# Altium PCB UmTRXv21.PcbDoc (part 8 of 19) (continued)
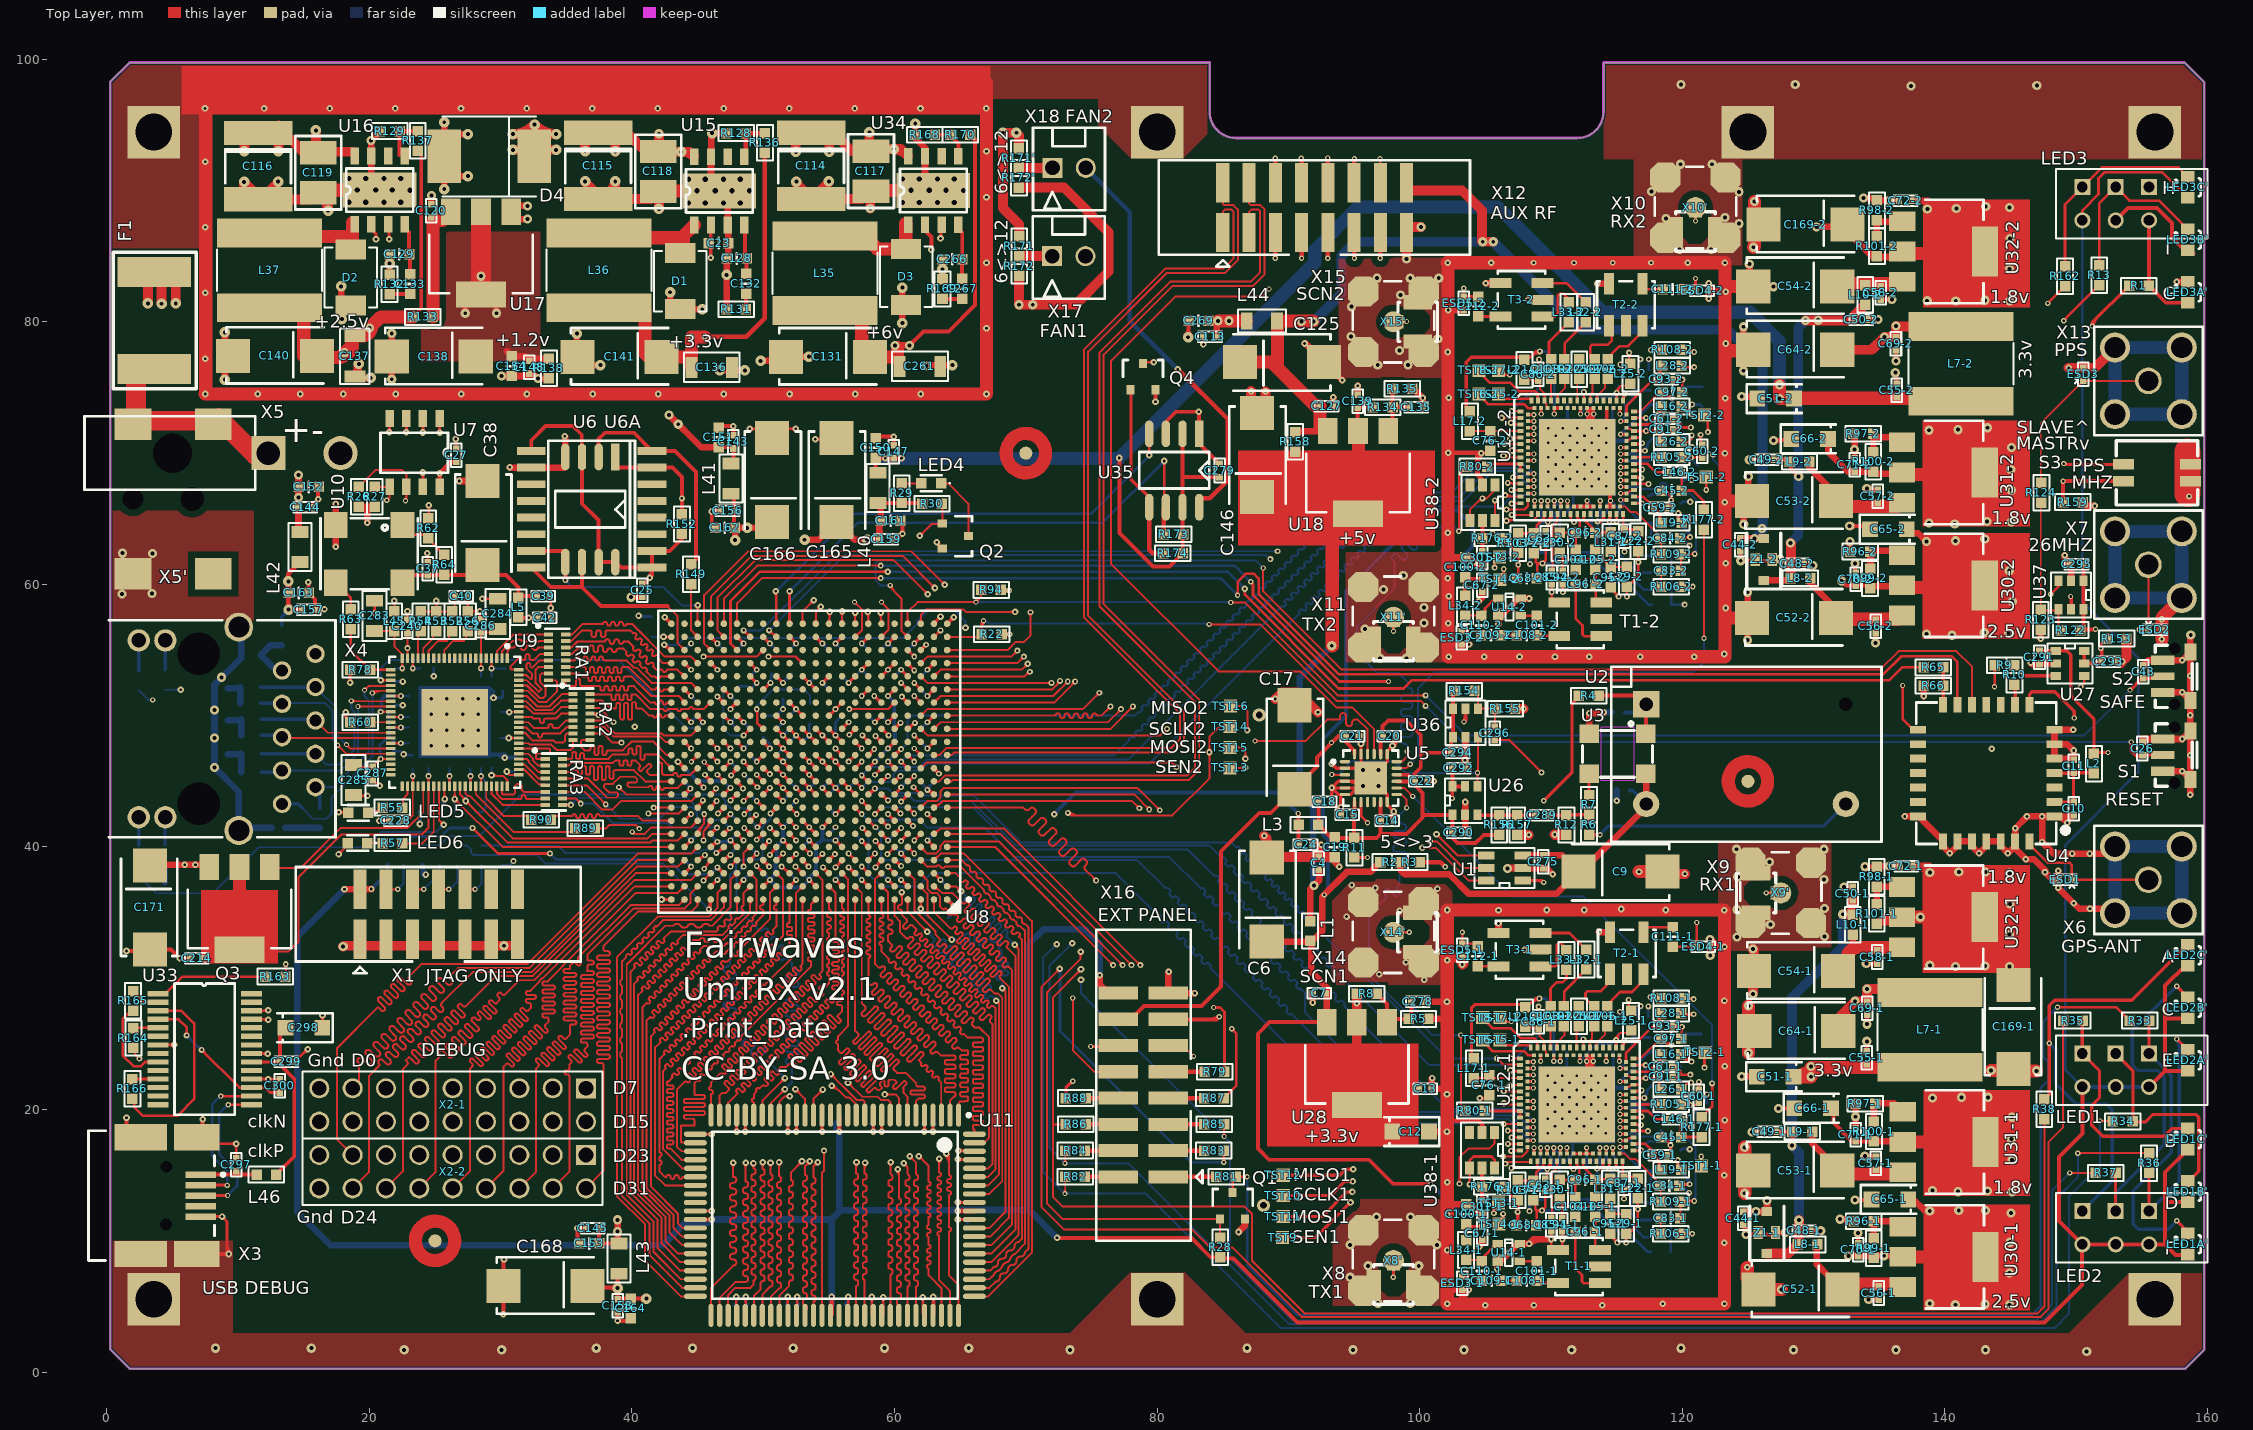
[diagram p0: Top Layer view]
## Nets (pads, with @x,y where several pads share a name; then routed paths per layer and width w, separated by ;. In a path a pad name is that pad's centre, name@x,y a point inside that pad or via, vN(x,y) a via of type N, cw(c..) or ccw(c..) an arc to the next point about the centre after c; other vN are vias at no path point) (continued)
  Bottom Layer w0.2: C245.2@21.8,47.3 22.35,47.3 v2(22.6,47.05) 22.65,47 C229.2@23.3,47 ; C242.2@21.9,50.8 v2(22.55,50.8) ; C281.2@21.9,52.6 v2(22.55,52.6) ; v2@22.444,50.694 ccw(c22.188,50.438) 22.188,50.8 ccw(c22.188,51.162) v2@22.444,50.906 ; v2@22.444,52.494 ccw(c22.188,52.238) 22.188,52.6 ccw(c22.188,52.962) v2@22.444,52.706 ; v2@22.706,47.156 ccw(c23.083,47.533) C229.2@23.083,47 ; 24.35,47.9 cw(c24.35,47.494) v6(24.7,47.7) ; 24.35,49.1 cw(c24.35,48.694) v6(24.7,48.9) 24.5,49.1 24,49.1 cw(c24,48.488) v6@24.528,48.798 ; 24.35,49.9 ccw(c24.35,50.306) v6(24.7,50.1) 24.5,49.9 24,49.9 ccw(c24,50.512) v6@24.528,50.202 ; 24.35,51.5 cw(c24.35,51.094) v6(24.7,51.3) 24.5,51.5 C241.2@24,51.5 cw(c24,50.888) v6@24.528,51.198 ; C238.2@24.5,46.972 cw(c25.162,46.972) v6@24.807,47.531 ; C238.2@24.5,47 24.5,47.5 v6(24.7,47.7) ; 24.5,47.336 cw(c24.931,47.336) v6(24.7,47.7) ; v6@24.528,47.598 ccw(c24,47.288) C244.2@24,47.9 24.5,47.9 v6(24.7,47.7) ; v2@24.794,53.106 ccw(c24.538,53.362) 24.9,53.362 ccw(c25.262,53.362) v2@25.006,53.106 ; v2(24.9,53) C237.2@24.9,53.65 ; v6@25.793,47.531 cw(c25.438,46.972) C232.2@26.1,46.972 ; C232.2@26.1,47 26.1,47.5 v6(25.9,47.7) cw(c25.669,47.336) 26.1,47.336 ; v6@27.213,47.535 cw(c27.386,47.286) 27.6,47.5 ; 27.43,47.67 ccw(c27.247,47.487) v6(27.1,47.7) 27.4,47.7 27.6,47.5 ; C239.2@27.6,47 27.6,47.5 ; v6@28.193,47.531 cw(c27.838,46.972) C233.2@28.5,46.972 ; v6@28.198,51.472 ccw(c27.888,52) C236.2@28.5,52 28.5,51.5 v6(28.3,51.3) ccw(c28.094,51.65) 28.5,51.65 ; v6@28.3,47.9 ccw(c28.3,48.624) C231.2@28.812,48.112 ; v6@28.472,49.998 cw(c29,49.688) C234.2@29,50.3 28.5,50.3 v6(28.3,50.1) cw(c28.65,49.894) 28.65,50.3 ; C233.2@28.5,47 28.5,47.5 v6(28.3,47.7) ; 28.5,47.336 ccw(c28.069,47.336) v6(28.3,47.7) ; v6@28.5,47.7 cw(c28.741,47.7) 28.571,47.871 ; C231.2@29,48.3 28.4,47.7 v6(28.3,47.7) ; C230.2@29.3,52 29.45,51.85 v2(29.45,51.35) 30.05,51.35 30.15,51.45 C41.1@30.15,51.9 ; v2@29.344,51.456 ccw(c29.088,51.712) 29.45,51.712 ccw(c29.812,51.712) 29.556,51.456 ccw(c29.812,51.712) 29.812,51.35 ccw(c29.812,50.988) v2@29.556,51.244 ; C212.1@44,45 44.5,44.5 v1(44.45,44.45) ; C186.1@44,55 v1(44.5,55.5) ; C185.1@44.05,40.05 v1(44.5,40.5) ; C209.1@44.05,40.95 v1(44.5,40.5) ; C212.1@44.166,44.834 cw(c43.782,44.45) v1@44.325,44.45 ; v1@44.375,55.5 cw(c44.073,55.5) 44.287,55.287 cw(c44.5,55.073) v1@44.5,55.375 ; v1@44.5,40.375 ccw(c44.5,40.073) 44.287,40.287 ccw(c44.073,40.5) 44.375,40.5 ccw(c44.073,40.5) 44.287,40.713 ccw(c44.5,40.927) 44.5,40.625 ccw(c44.5,40.927) 44.713,40.713 ccw(c44.927,40.5) v1@44.625,40.5 ; v1@44.5,51.375 cw(c44.5,51.073) 44.713,51.287 cw(c44.927,51.5) v1@44.625,51.5 ; v1(44.5,51.5) C211.1@45,51 ; v1@44.55,40.45 v1(44.5,40.5) ; v1@44.55,40.5 v1(44.5,40.5) ; C208.1@45,41 v1(44.5,40.5) ; C224.1@45.45,12.4 45.575,12.275 v2(46.075,12.275) ; v2@45.969,12.169 ccw(c45.713,11.913) 45.713,12.275 ccw(c45.713,12.637) v2@45.969,12.381 ; C176.1@47,39 47.5,39.5 C194.1@48,40 ; C210.1@47,46 v1(47.5,46.5) C172.1@48,46 ; C176.1@47.116,39.116 cw(c47.5,38.732) v1@47.5,39.275 ; v1@47.375,46.5 cw(c47.073,46.5) 47.287,46.287 cw(c47.5,46.073) 47.5,46.375 cw(c47.5,46.073) 47.713,46.287 cw(c47.927,46.5) v1@47.625,46.5 ; v1@47.5,42.375 cw(c47.5,42.073) 47.713,42.287 cw(c47.927,42.5) v1@47.625,42.5 ; v1(47.5,42.5) C184.1@48,42 ; v1@47.5,49.375 cw(c47.5,49.073) 47.713,49.287 cw(c47.927,49.5) 47.625,49.5 cw(c47.927,49.5) 47.713,49.713 cw(c47.5,49.927) v1@47.5,49.625 ; v1(47.5,39.4) v1@47.5,39.5 ; v1@47.625,39.4 cw(c48.168,39.4) 47.784,39.784 ; C213.1@48,48 v1(48.5,47.5) C249.2@49,48 ; C174.1@48,49 v1(47.5,49.5) C177.1@48,50 ; C251.2@48,55 v1(48.5,55.5) ; v1@48.375,47.5 ccw(c48.073,47.5) 48.287,47.713 ccw(c48.5,47.927) 48.5,47.625 ccw(c48.5,47.927) 48.713,47.713 ccw(c48.927,47.5) v1@48.625,47.5 ; v1@48.375,55.5 cw(c48.073,55.5) 48.287,55.287 cw(c48.5,55.073) v1@48.5,55.375 ; v1(48.5,37.5) C187.1@49,38 ; v1@48.5,37.625 ccw(c48.5,37.927) 48.713,37.713 ccw(c48.927,37.5) v1@48.625,37.5 ; v2@48.519,18.431 ccw(c48.263,18.687) 48.625,18.687 ccw(c48.987,18.687) v2@48.731,18.431 ; v2@48.544,5.644 cw(c48.288,5.388) 48.65,5.388 cw(c49.012,5.388) v2@48.756,5.644 ; v1@48.55,45.375 cw(c48.55,45.073) 48.763,45.287 cw(c48.977,45.5) v1@48.675,45.5 ; v1(48.55,45.5) 49,45.05 C250.2@49,45 ; v2(48.625,18.325) 48.625,18.775 C218.1@48.8,18.95 ; v2(48.65,5.75) 48.65,5.3 C219.1@48.8,5.15 ; C199.1@49,53 v1(49.5,53.5) ; v1@49.375,53.5 cw(c49.073,53.5) 49.287,53.287 cw(c49.5,53.073) v1@49.5,53.375 ; C248.2@50,44 v1(50.5,44.5) ; R23.1@50,49.85 50.15,50 C257.2@51,50 v1(51.5,50.5) R67.1@51.5,51.25 51.5,51.263 R67.1@51.504,51.266 ; v1@50.375,44.5 cw(c50.073,44.5) 50.287,44.287 cw(c50.5,44.073) v1@50.5,44.375 ; C197.1@51,45 v1(51.5,44.5) ; v1@51.375,44.5 ccw(c51.073,44.5) 51.287,44.713 ccw(c51.5,44.927) v1@51.5,44.625 ; v1@51.375,50.5 cw(c51.073,50.5) 51.287,50.287 cw(c51.5,50.073) v1@51.5,50.375 ; v1@51.412,50.588 ccw(c51.198,50.802) 51.5,50.802 ccw(c51.802,50.802) v1@51.588,50.588 ; v1@51.5,46.375 cw(c51.5,46.073) 51.713,46.287 cw(c51.927,46.5) 51.625,46.5 cw(c51.927,46.5) 51.713,46.713 cw(c51.5,46.927) v1@51.5,46.625 ; v1(51.5,48.5) C265.2@52,49 ; v1@51.5,48.625 ccw(c51.5,48.927) 51.713,48.713 ccw(c51.927,48.5) v1@51.625,48.5 ; v1(51.5,52.5) 51.5,52.55 R32.2@52.15,53.2 ; v1@51.625,52.5 cw(c52.047,52.5) 51.749,52.799 ; C217.1@51.7,18.95 51.875,18.775 v2(51.875,18.325) ; v2@51.744,5.644 cw(c51.488,5.388) 51.85,5.388 cw(c52.212,5.388) v2@51.956,5.644 ; C220.1@51.75,5.15 51.85,5.25 v2(51.85,5.75) ; v2@51.769,18.431 ccw(c51.513,18.687) 51.875,18.687 ccw(c52.237,18.687) v2@51.981,18.431 ; C188.1@52,38 v1(52.5,37.5) ; C206.1@52,43 v1(52.5,43.5) ; C273.2@52,46 v1(51.5,46.5) C263.2@52,47 ; C201.1@52,55 v1(52.5,55.5) ; v1@52.375,37.5 ccw(c52.073,37.5) 52.287,37.713 ccw(c52.5,37.927) v1@52.5,37.625 ; v1@52.375,43.5 cw(c52.073,43.5) 52.287,43.287 cw(c52.5,43.073) v1@52.5,43.375 ; v1@52.375,55.5 cw(c52.073,55.5) 52.287,55.287 cw(c52.5,55.073) v1@52.5,55.375 ; C183.1@53,40 v1(53.5,40.5) C246.2@53,41 ; C262.2@53,44 v1(53.5,44.5) ; C274.2@53,45 v1(53.5,44.5) ; C270.2@53,47 v1(53.5,46.5) C264.2@54,46 ; C277.2@53,48 v1(53.5,48.5) ; v1@53.375,46.5 ccw(c53.073,46.5) 53.287,46.713 ccw(c53.5,46.927) v1@53.5,46.625 ; v1@53.375,48.5 cw(c53.073,48.5) 53.287,48.287 cw(c53.5,48.073) 53.5,48.375 cw(c53.5,48.073) 53.713,48.287 cw(c53.927,48.5) v1@53.625,48.5 ; v1@53.412,48.588 ccw(c53.198,48.802) 53.5,48.802 ccw(c53.802,48.802) v1@53.588,48.588 ; v1@53.5,40.375 ccw(c53.5,40.073) 53.287,40.287 ccw(c53.073,40.5) 53.375,40.5 ccw(c53.073,40.5) 53.287,40.713 ccw(c53.5,40.927) v1@53.5,40.625 ; v1@53.5,44.375 ccw(c53.5,44.073) 53.287,44.287 ccw(c53.073,44.5) 53.375,44.5 ccw(c53.073,44.5) 53.287,44.713 ccw(c53.5,44.927) 53.5,44.625 ccw(c53.5,44.927) 53.713,44.713 ccw(c53.927,44.5) v1@53.625,44.5 ; v1@53.5,46.375 cw(c53.5,46.073) 53.713,46.287 cw(c53.927,46.5) v1@53.625,46.5 ; R24.1@53.566,49.396 53.5,49.33 v1(53.5,48.5) ; C272.2@54,45 v1(53.5,44.5) ; C268.2@54,48 v1(53.5,48.5) ; v2@54.369,18.431 ccw(c54.113,18.687) 54.475,18.687 ccw(c54.837,18.687) v2@54.581,18.431 ; v2(54.475,18.325) 54.475,18.875 C223.1@54.55,18.95 ; v1@54.5,52.375 cw(c54.5,52.073) 54.713,52.287 cw(c54.927,52.5) 54.625,52.5 cw(c54.927,52.5) 54.713,52.713 cw(c54.5,52.927) v1@54.5,52.625 ; C182.1@55,41 v1(55.5,41.5) ; C196.1@55,44 v1(55.5,44.5) C260.2@56,45 ; C276.2@55,47 v1(55.5,46.5) C200.1@56,46 ; C271.2@55,49 v1(55.5,48.5) ; C203.1@55,52 v1(54.5,52.5) C247.2@55,53 ; v1@55.375,41.5 cw(c55.073,41.5) 55.287,41.287 cw(c55.5,41.073) v1@55.5,41.375 ; v1@55.375,44.5 cw(c55.073,44.5) 55.287,44.287 cw(c55.5,44.073) v1@55.5,44.375 ; v1@55.375,46.5 ccw(c55.073,46.5) 55.287,46.713 ccw(c55.5,46.927) v1@55.5,46.625 ; v1@55.375,48.5 ccw(c55.073,48.5) 55.287,48.713 ccw(c55.5,48.927) v1@55.5,48.625 ; v1@55.412,48.588 ccw(c55.198,48.802) 55.5,48.802 ccw(c55.802,48.802) v1@55.588,48.588 ; v1(55.5,37.5) C189.1@56,38 ; v1@55.5,37.625 ccw(c55.5,37.927) 55.713,37.713 ccw(c55.927,37.5) v1@55.625,37.5 ; v1@55.5,44.625 ccw(c55.5,44.927) 55.713,44.713 ccw(c55.927,44.5) v1@55.625,44.5 ; v1@55.5,46.375 cw(c55.5,46.073) 55.713,46.287 cw(c55.927,46.5) v1@55.625,46.5 ; v1@55.5,48.375 cw(c55.5,48.073) 55.713,48.287 cw(c55.927,48.5) v1@55.625,48.5 ; v1@55.5,55.375 cw(c55.5,55.073) 55.713,55.287 cw(c55.927,55.5) v1@55.625,55.5 ; v1(55.5,55.5) C252.2@56,55 ; C255.2@56,48 v1(55.5,48.5) ; C258.2@56,50 55.5,49.5 v1(55.5,48.5) ; v2@56.333,5.701 cw(c55.805,5.52) C225.1@56.2,5.125 56.475,5.4 ; v2@56.372,5.641 cw(c56.142,5.4) 56.475,5.4 ; C225.1@56.426,5.351 ccw(c56.142,5.636) v2@56.522,5.766 ; v2(56.475,5.75) 56.475,5.4 ; v2@56.578,5.641 ccw(c56.808,5.4) 56.475,5.4 ; C204.1@57,41 v1@57.5,40.5 ; C256.2@57,53 v1(57.5,53.5) C198.1@58,53 ; 57.251,40.749 cw(c56.952,40.45) v1@57.375,40.45 ; v1@57.375,53.5 cw(c57.073,53.5) 57.287,53.287 cw(c57.5,53.073) 57.5,53.375 cw(c57.5,53.073) 57.713,53.287 cw(c57.927,53.5) v1@57.625,53.5 ; v1(57.5,40.45) v1@57.5,40.5 ; v2@58.919,18.431 ccw(c58.663,18.687) 59.025,18.687 ccw(c59.387,18.687) v2@59.131,18.431 ; C190.1@59,38 v1(59.5,37.5) ; C259.2@59,50 v1(59.5,49.5) ; C202.1@59,55 v1(59.5,55.5) C254.2@60,55 ; v2@59.019,5.594 cw(c58.763,5.338) 59.125,5.338 cw(c59.487,5.338) v2@59.231,5.594 ; v2(59.025,18.325) 59.025,18.825 C216.1@59.15,18.95 ; C221.1@59.125,5.125 v2(59.125,5.7) ; v1@59.375,37.5 ccw(c59.073,37.5) 59.287,37.713 ccw(c59.5,37.927) v1@59.5,37.625 ; v1@59.375,49.5 ccw(c59.073,49.5) 59.287,49.713 ccw(c59.5,49.927) v1@59.5,49.625 ; v1@59.375,55.5 cw(c59.073,55.5) 59.287,55.287 cw(c59.5,55.073) 59.5,55.375 cw(c59.5,55.073) 59.713,55.287 cw(c59.927,55.5) v1@59.625,55.5 ; v1(59.5,46.5) C175.1@60,47 ; v1@59.5,46.625 ccw(c59.5,46.927) 59.713,46.713 ccw(c59.927,46.5) v1@59.625,46.5 ; C193.1@60,40 v1(60.5,39.5) C181.1@61,40 ; C178.1@60,53 v1(60.5,53.5) ; v1@60.375,39.5 ccw(c60.073,39.5) 60.287,39.713 ccw(c60.5,39.927) 60.5,39.625 ccw(c60.5,39.927) 60.713,39.713 ccw(c60.927,39.5) v1@60.625,39.5 ; v1@60.375,53.5 cw(c60.073,53.5) 60.287,53.287 cw(c60.5,53.073) v1@60.5,53.375 ; C205.1@62,44.9 v1@62.45,44.45 ; C192.1@62,48 v1(62.5,47.5) ; C207.1@62,52 v1(62.5,51.5) ; v2@62.044,5.594 cw(c61.788,5.338) 62.15,5.338 cw(c62.512,5.338) v2@62.256,5.594 ; C215.1@62.1,18.95 62.275,18.775 v2(62.275,18.325) ; C222.1@62.15,5.1 v2(62.15,5.7) ; v2@62.169,18.431 ccw(c61.913,18.687) 62.275,18.687 ccw(c62.637,18.687) v2@62.381,18.431 ; 62.251,44.649 cw(c61.953,44.35) v1@62.375,44.35 ; 62.287,47.713 cw(c62.073,47.5) v1@62.375,47.5 ; 62.287,47.713 ccw(c62.5,47.927) v1@62.5,47.625 ; v1@62.375,51.5 ccw(c62.073,51.5) 62.287,51.713 ccw(c62.5,51.927) v1@62.5,51.625 ; v1(62.5,40.5) C180.1@63,41 ; v1@62.5,40.625 ccw(c62.5,40.927) 62.713,40.713 ccw(c62.927,40.5) v1@62.625,40.5 ; v1(62.5,44.35) 62.5,44.4 v1@62.45,44.45 ; v1@62.625,44.35 cw(c63.289,44.35) C179.1@62.819,44.819 ; C179.1@62.95,44.95 v1@62.45,44.45 ; C191.1@64,36 v2(64.5,35.5) 64.5,35 R93.2@64.1,34.6 ; v2@64.35,35.5 ccw(c63.988,35.5) 64.244,35.756 ccw(c64.5,36.012) v2@64.5,35.65 ; v2@64.394,35.394 cw(c64.138,35.138) 64.5,35.138 cw(c64.862,35.138) v2@64.606,35.394 ; v2(64.825,11.625) 65.275,11.625 C227.1@65.55,11.35 ; v2@64.931,11.519 cw(c65.187,11.263) 65.187,11.625 cw(c65.187,11.987) v2@64.931,11.731 ; v1(105.5,14.725) 106.095,14.725 R107-1.1@106.211,14.608 ; v1(105.55,63.875) 106.225,63.875 R107-2.1@106.25,63.9 ; v1@105.588,14.637 cw(c105.802,14.423) 105.802,14.725 cw(c105.802,15.027) v1@105.588,14.813 ; v1@105.638,63.787 cw(c105.852,63.573) 105.852,63.875 cw(c105.852,64.177) v1@105.638,63.963 ; C81-1.2@108.811,27.058 109.057,27.304 v1(109.057,27.838) ; C81-2.2@108.85,76.35 109.096,76.596 v1(109.096,77.13) ; v1@108.969,27.75 cw(c108.755,27.536) 109.057,27.536 cw(c109.359,27.536) v1@109.145,27.75 ; v1@109.008,77.041 cw(c108.794,76.828) 109.096,76.828 cw(c109.398,76.828) v1@109.184,77.041 ; v1(109.311,12.308) 110.261,12.308 110.511,12.558 C74-1.2@110.511,12.958 ; v1(109.35,61.6) 110.3,61.6 110.55,61.85 C74-2.2@110.55,62.25 ; v1@109.399,12.22 cw(c109.613,12.006) 109.613,12.308 cw(c109.613,12.61) v1@109.399,12.397 ; v1@109.438,61.512 cw(c109.652,61.298) 109.652,61.6 cw(c109.652,61.902) v1@109.438,61.688 ; U12-1.0@109.707,18.138 U12-1.0@109.757,18.188 ; U12-2.0@109.746,67.43 U12-2.0@109.796,67.48 ; U12-1.0@110.857,22.588 111.2,22.931 C88-1.2@111.2,24.375 ; U12-2.0@110.896,71.88 111.25,72.234 C88-2.2@111.25,73.664 ; C62-1.1@111.15,16.15 111.15,16.081 111.65,16.581 111.65,17.881 U12-1.0@111.957,18.188 ; C62-2.1@111.175,65.475 111.175,65.5 111.7,66.025 111.7,67.184 U12-2.0@111.996,67.48 ; v4@114.136,17.017 cw(c113.922,16.803) 114.225,16.803 ; U12-1.0@114.157,18.188 U12-1.0@114.257,18.188 ; U12-1.0@114.157,22.588 114.725,23.156 C79-1.2@114.725,24.35 ; U12-2.0@114.196,67.48 U12-2.0@114.296,67.48 ; U12-2.0@114.196,71.88 114.675,72.359 C79-2.2@114.675,73.5 ; v4(114.207,17.088) 114.225,17.07 C92-1.2@114.225,16.15 ; C92-2.2@114.246,65.5 114.246,66.096 v4(114.525,66.375) 115.2,65.7 C78-2.2@115.2,65.467 ; v4@114.425,66.375 cw(c114.184,66.375) 114.354,66.204 cw(c114.525,66.034) 114.525,66.275 cw(c114.525,66.034) 114.696,66.204 cw(c114.866,66.375) v4@114.625,66.375 ; v4@114.636,17.017 cw(c114.466,16.847) 114.707,16.847 cw(c114.948,16.847) v4@114.778,17.017 ; v4(114.707,17.088) 114.707,16.493 C78-1.2@115.025,16.175 ; v1@115.162,27.362 cw(c114.948,27.148) 115.25,27.148 cw(c115.552,27.148) v1@115.338,27.362 ; v1@115.187,76.662 cw(c114.973,76.448) 115.275,76.448 cw(c115.577,76.448) v1@115.363,76.662 ; C90-1.2@115.25,26.85 v1(115.25,27.45) ; C90-2.2@115.275,76.15 v1(115.275,76.75) ; C75-1.2@116.611,27.042 v1@116.611,27.858 ; C75-1.2@116.611,27.057 cw(c117.643,27.057) v1@116.913,27.787 ; 116.611,27.54 cw(c117.16,27.54) v1@116.772,27.928 ; C75-2.2@116.65,76.334 v1@116.65,77.15 ; C75-2.2@116.65,76.486 cw(c117.464,76.486) v1@116.888,77.062 ; 116.65,76.969 cw(c116.981,76.969) v1@116.747,77.203 ; C89-1.2@117.325,17.45 117.475,17.6 118.794,17.6 v1(119.1,17.294) ; C89-2.2@117.4,66.75 117.525,66.75 117.65,66.875 118.912,66.875 ; v1@118.975,17.294 ccw(c118.673,17.294) 118.887,17.508 ccw(c119.1,17.721) v1@119.1,17.419 ; v1@119.029,66.433 ccw(c118.59,66.553) 118.912,66.875 ; C73-1.2@119.057,15.388 119.731,15.388 120.561,14.558 ; v1@119.075,66.5 ccw(c118.963,66.65) 119.15,66.65 ; C73-2.2@119.096,64.68 119.77,64.68 120.6,63.85 ; R110-1.1@119.107,9.162 R111-1.1@119.107,10.288 ; R113-1.1@119.107,12.888 R112-1.1@119.107,11.588 R111-1.1@119.107,10.288 ; R113-2.1@119.146,62.18 R112-2.1@119.146,60.88 R111-2.1@119.146,59.58 ; v1(119.15,66.4) 119.15,66.65 ; 119.156,66.631 cw(c118.973,66.448) v1@119.222,66.38 ; v1@119.225,66.5 cw(c119.337,66.65) 119.15,66.65 ; 119.842,58.45 ccw(c119.842,58.791) v1@120.084,58.55 ; 119.898,58.45 cw(c119.898,58.188) v1@120.084,58.373 ; C82-1.2@119.907,18.438 C82-1.2@120.077,18.608 ; C98-1.2@119.911,24.408 v1(120.711,24.408) 121.311,24.408 R121-1.2@121.461,24.258 ; C82-2.2@119.946,67.73 C82-2.2@120.116,67.9 ; C98-2.2@119.95,73.7 v1(120.75,73.7) 121.35,73.7 R121-2.2@121.5,73.55 ; C82-1.2@120.127,18.708 v1@120.711,18.708 ; C82-2.2@120.166,68 v1@120.75,68 ; 120.171,14.948 cw(c119.531,14.308) v1@120.436,14.308 ; v1(120.172,58.462) 120.16,58.45 R110-2.1@119.15,58.45 119.146,58.454 R111-2.1@119.146,59.58 ; 120.21,64.24 cw(c119.57,63.6) v1@120.475,63.6 ; C82-1.2@120.239,18.708 cw(c120.239,18.236) v1@120.573,18.57 ; C82-2.2@120.278,68 cw(c120.278,67.528) v1@120.612,67.862 ; v1@120.486,14.408 ccw(c120.374,14.558) 120.561,14.558 ; 120.512,14.607 cw(c120.214,14.308) v1@120.636,14.308 ; v1@120.525,63.7 ccw(c120.413,63.85) 120.6,63.85 ; 120.551,63.899 cw(c120.253,63.6) v1@120.675,63.6 ; v1(120.561,14.308) 120.561,14.558 ; v1(120.6,63.6) 120.6,63.85 ; v1@120.623,24.32 ccw(c120.409,24.106) 120.409,24.408 ccw(c120.409,24.71) v1@120.623,24.497 ; v1@120.636,14.408 cw(c120.749,14.558) 120.561,14.558 ; v1@120.662,73.612 ccw(c120.448,73.398) 120.448,73.7 ccw(c120.448,74.002) v1@120.662,73.788 ; v1@120.669,10.45 ccw(c120.455,10.236) 120.455,10.538 ccw(c120.455,10.84) v1@120.669,10.626 ; v1@120.675,63.7 cw(c120.787,63.85) 120.6,63.85 ; v1@120.708,59.741 ccw(c120.494,59.528) 120.494,59.83 ccw(c120.494,60.132) v1@120.708,59.918 ; v1(120.757,10.538) 119.357,10.538 R111-1.1@119.107,10.288 ; v1(120.796,59.83) 119.396,59.83 R111-2.1@119.146,59.58 ; v1@120.799,24.32 cw(c121.013,24.106) 121.013,24.408 cw(c121.013,24.71) v1@120.799,24.497 ; v1@120.838,73.612 cw(c121.052,73.398) 121.052,73.7 cw(c121.052,74.002) v1@120.838,73.788 ; 118.912,66.875 119.137,66.65 119.15,66.65
  Bottom Layer w0.3: R61.2@23.8,42.65 23.85,42.6 v2(23.85,41.75) ; 24.036,38.026 ccw(c24.393,38.026) v2@24.181,37.739 ; v2(24.3,37.9) 24.036,38.164 R20.2@24.036,38.62 ccw(c24.83,38.62) v2@24.359,37.981 ; C280.2@29.3,47.05 30.05,47.05 v2(30.3,46.8) C235.2@31.1,46.8 ; C280.2@29.455,47.05 cw(c29.455,45.955) v2@30.229,46.729 ; 30.179,47.05 cw(c30.179,46.679) v2@30.441,46.941
  Bottom Layer w0.35: U12-1.0@114.157,21.488 114.319,21.65 C80-1.2@115.925,21.65 ; U12-2.0@114.196,70.78 114.366,70.95 115.825,70.95 C80-2.2@115.875,71
  Bottom Layer w0.5: X4.15@10.048,56.747 10.225,56.57 C32.1@10.225,54.625 10.225,54.375 8.2,52.35 C36.2@8.2,52.1 C35.2@8.2,49.65 C34.2@8.2,47.05 v3(8.2,46.05) 10.048,44.202 X4.15@10.048,41.253 10.27,41.475 C33.2@12.575,41.475 ; v2(114.025,50.25) C5.1@114.625,50.25 ; v2(115,43.525) C8.2@115,44.3
  Bottom Layer w1: X6.2@152.96,34.96 X6.2@152.96,40.04 X6.2@158.04,40.04 X6.2@158.04,34.96 X6.2@152.96,34.96 ; X7.2@152.96,58.96 X7.2@158.04,58.96 X7.2@158.04,64.04 X7.2@152.96,64.04 X7.2@152.96,58.96 ; X13.2@152.96,72.96 X13.2@152.96,78.04 X13.2@158.04,78.04 X13.2@158.04,72.96 X13.2@152.96,72.96
  other v1: 120.661,18.658 116.825,27.875 120.7,67.95 116.8,77.15
  other v2: 105,5.1 108.7,5.1 113.9,5.1 102.1,9.3 123.2,9.85 123.2,15 123.225,19.2 102.075,21.175 100.95,22.4 123.225,23.3 102.075,28.225 100.35,29.875 96.9,30.3 98.95,31.225 101.4,32.025 94.425,34.7 101.35,34.8 98.475,35.15 106,35.175 123.2,35.175 115.35,35.275 149.8,35.7 101.35,36.825 96.625,36.875 94.825,37.1 143.575,47.475 40.2,49.15 107.6,54.5 112.9,54.5 116.8,54.5 120.9,54.5 123.2,54.7 102.175,57.05 123.3,58.2 102.2,59.1 102.128,60.464 123.3,61.6 123.225,66.25 30.675,68.925 102.175,70.025 26.575,71.075 34.875,71.275 48.975,71.85 123.271,74.176 102.2,74.225 7.5,77.2 123.3,78.35 7.5,82.2 123.3,82.3 7.5,87.2 7.5,92.2 7.475,96.25 11.975,96.25 16.975,96.25 21.975,96.25 26.975,96.25 31.975,96.25 36.975,96.25 41.975,96.25 46.975,96.25 51.975,96.25 56.975,96.25 61.975,96.25 66.975,96.25
  other v3: 150.8,1.575 22.65,1.7 30.075,1.7 73.35,1.7 94.925,1.7 103.375,1.7 111.575,1.7 128.475,1.7 136.275,1.7 143.1,1.7 8.275,1.825 15.575,1.825 37.275,1.825 44.6,1.825 52.275,1.825 59.225,1.825 65.65,1.825 86.85,1.825 119.9,1.825 96.825,5.25 99.275,5.25 94.7,7.225 96.075,8.1 99.925,8.1 94.7,9.7 101.3,9.7 96.7,11.825 99.3,11.825 124.175,33.15 130.825,33.175 126.7,34.1 124.175,35.225 130.825,35.325 130.8,37.525 124.225,37.725 126.65,38.85 124.125,39.825 130.8,39.825 8.2,48.3 8.2,50.425 8.725,52.925 96.975,54.375 98.975,54.375 95.825,56.6 100.325,57.05 100.325,58.25 1.15,59.275 3.45,59.3 97.25,59.6 98.75,60.675 3.475,62.35 1.2,62.375 136.225,76.125 96.8,76.7 99.1,76.725 98.45,77.825 101.375,78.7 94.775,78.875 94.8,81.15 98.525,82.05 96.75,83.325 99.275,83.325 101.45,83.325 119.775,85.5 122.2,85.5 124.325,87.475 118.75,87.875 123.25,87.95 135.725,89.25 124.325,89.9 117.65,89.925 119.85,92 122.275,92 137.425,97.95 147,98 119.9,98.075 128.6,98.075
  other v4: 114.207,23.688 112.746,72.98 113.246,72.98
  other v5: 20.1,75.725 47.2,83.575
  other v6: 25.9,48.9 27.1,48.9 28.3,48.9 25.9,50.1 27.1,50.1 25.9,51.3 27.1,51.3
  other v7: 96.875,44.65 95.675,45.85
  other v8: 88.1,12.7 87.775,50.05
GPS_ANT: ESD1.1 U4.28 X6.1 | length 10.8
  Top Layer w0.2: U4.28@146.45,40.175 147.825,38.8 149.475,38.8 149.675,38.6 ESD1.1@149.675,37.5 ; ESD1.1@149.7,37.5 X6.1@155.5,37.5
GPS_STBY: U4.12 U8.AA4 | length 101
  Top Layer w0.15: v4@59.65,59.925 ccw(c59.952,59.925) 59.738,59.712 ; v4(59.675,59.925) 59.675,59.775 60.525,58.925 60.525,56.475 U8.AA4@61,56 ; v4@59.8,59.925 ccw(c60.464,59.925) 59.994,59.456 ; U8.AA4@60.825,56 ccw(c60.403,56) 60.701,56.299 ccw(c61,56.597) U8.AA4@61,56.175 ; v4(88.075,61.25) 88.075,59.475 94.05,53.5 135.05,53.5 136.475,54.925 140.875,54.925 142.05,53.75 U4.12@142.05,51.325
  Bottom Layer w0.15: v4@59.587,59.837 ccw(c59.373,59.623) 59.373,59.925 ccw(c59.373,60.227) v4@59.587,60.013 ; v4(59.675,59.925) 58.934,59.925 58.55,60.309 58.55,61.591 58.784,61.825 87.5,61.825 v4(88.075,61.25) ; v4@87.95,61.25 ccw(c87.648,61.25) 87.862,61.463 ccw(c88.075,61.677) v4@88.075,61.375
INHIBIT: Q4.3 U16.3 U34.3 | length 83.5
  Top Layer w0.2: v2@63.394,86.456 ccw(c63.058,86.792) U34.3@63.533,86.792 ; v2@63.533,86.383 U34.3@63.533,87.242 ; 63.533,86.632 ccw(c63.782,86.632) v2@63.606,86.456 ; Q4.3@78.925,76.925 v2(79.75,76.925) ; v2@79.644,76.819 ccw(c79.388,76.563) 79.388,76.925 ccw(c79.388,77.287) v2@79.644,77.031
  Top Layer w0.25: v2@21.412,86.363 ccw(c21.198,86.577) 21.5,86.577 ccw(c21.802,86.577) v2@21.588,86.363 ; U16.3@21.42,87.425 21.5,87.345 v2(21.5,86.275)
  Mid-Layer 2 w0.2: v2(21.5,86.275) 21.575,86.35 v2(63.5,86.35) 64.55,85.3 64.55,83.35 63.8,82.6 62.05,82.6 58.775,79.325 58.775,77.525 60.45,75.85 65.05,75.85 65.85,76.65 79.475,76.65 v2(79.75,76.925) ; v2@21.606,86.169 cw(c22.043,85.732) 22.043,86.35 ; v2@63.394,86.244 ccw(c63.138,85.988) 63.138,86.35 ccw(c63.138,86.712) v2@63.394,86.456 ; v2@63.5,86.2 cw(c63.5,85.838) 63.756,86.094 cw(c64.012,86.35) v2@63.65,86.35 ; v2@79.6,76.925 cw(c79.238,76.925) 79.494,76.669 cw(c79.75,76.413) v2@79.75,76.775
INIT_B: Q2.1 R30.2 U8.T6 | length 22.5
  Top Layer w0.15: v1@58.45,51.35 cw(c58.45,50.867) 58.791,51.209 ; v1(58.45,51.5) 58.5,51.5 U8.T6@59,51 ; v1@58.537,51.356 cw(c58.228,50.821) U8.T6@58.83,50.96 ; v1@58.6,51.5 ccw(c58.841,51.5) 58.671,51.329 ; 58.753,51.231 cw(c58.67,51.087) U8.T6@58.831,51.045 ; U8.T6@58.825,51 ccw(c58.403,51) 58.701,51.299 ccw(c59,51.597) U8.T6@59,51.175 ; v2(61.925,63.7) 62.825,64.6 63.65,64.6 63.65,66.1 R30.2@63.6,66.15 ; v2@61.925,63.875 ccw(c61.925,64.297) 62.224,63.999 ccw(c62.522,63.7) v2@62.1,63.7
  MidLayer1 w0.15: v1(58.45,51.5) 59.95,53 60.6,53 60.675,53.075 60.925,53.324 60.925,53.675 61.125,53.875 61.441,53.875 61.925,54.359 v2(61.925,63.7) ; v1@58.45,51.65 ccw(c58.45,52.012) 58.706,51.756 ccw(c58.962,51.5) v1@58.6,51.5 ; v2@61.801,63.576 cw(c61.503,63.278) 61.925,63.278 cw(c62.347,63.278) v2@62.049,63.576
LED_CLK: R11.2 R13.2 R79.2 U5.8 | length 123.1
  Top Layer w0.2: v4(84.3,27.775) 84.775,27.775 85.125,27.425 R79.2@85.125,22.875 ; v4@84.371,27.704 cw(c84.541,27.534) 84.541,27.775 cw(c84.541,28.016) v4@84.371,27.846 ; R11.2@95.025,39.2 v4(96.025,39.2) ; U5.8@95.525,43.425 95.525,42.35 v4(96.025,41.85) ; v4@95.925,41.85 ccw(c95.684,41.85) 95.854,42.021 ccw(c96.025,42.191) v4@96.025,41.95 ; v4(149.05,80.075) 149.05,80.1 R13.2@151.75,82.8 ; v4@149.15,80.075 cw(c149.452,80.075) 149.238,80.288
  Mid-Layer 2 w0.2: v4(84.3,27.775) 85.378,27.775 93.85,36.247 93.85,37.025 v4(96.025,39.2) v4(96.025,41.85) 94.9,42.975 94.9,50.5 97.8,53.4 140.65,53.4 141.775,54.525 146.25,54.525 146.8,55.075 146.8,56.7 147.5,57.4 147.5,63.7 148.325,64.525 148.325,79.35 v4(149.05,80.075) ; v4@84.371,27.704 cw(c84.541,27.534) 84.541,27.775 cw(c84.541,28.016) v4@84.371,27.846 ; v4@95.925,41.85 ccw(c95.684,41.85) 95.854,42.021 ccw(c96.025,42.191) v4@96.025,41.95 ; v4@95.954,41.779 cw(c95.784,41.609) 96.025,41.609 cw(c96.266,41.609) v4@96.096,41.779 ; v4@148.95,80.075 cw(c148.709,80.075) 148.879,79.904 cw(c149.05,79.734) v4@149.05,79.975
LED_DONE: Q1.3 R33.2 R81.2 | length 102.2
  Top Layer w0.2: Q1.3@85.75,13.675 85.75,14.625 R81.2@86,14.875 v4(86.85,14.875) ; v4@86.779,14.804 ccw(c86.609,14.634) 86.609,14.875 ccw(c86.609,15.116) v4@86.779,14.946 ; v4(148.575,27.8) 153.05,27.8 R33.2@154.075,26.775 ; v4@148.646,27.729 cw(c148.816,27.559) 148.816,27.8 cw(c148.816,28.041) v4@148.646,27.871
  Bottom Layer w0.2: v4@86.779,14.804 cw(c86.609,14.634) 86.85,14.634 cw(c87.091,14.634) v4@86.921,14.804 ; v4(86.85,14.875) 86.85,8.15 90.65,4.35 146.625,4.35 147.3,5.025 147.3,21.625 147.875,22.2 147.875,23.625 147.5,24 147.5,26.725 v4(148.575,27.8) ; v4@148.475,27.8 cw(c148.234,27.8) 148.404,27.629 cw(c148.575,27.459) v4@148.575,27.7
LED_GPS: R1.2 R88.2 U4.8 | length 132.9
  Top Layer w0.25: R88.2@73.05,20.875 73.05,21.65 73.55,22.15 v4(73.575,22.15) ; 73.404,22.004 cw(c73.575,21.834) v4@73.575,22.075 ; U4.8@146.45,50.825 146.45,51.65 146.625,51.825 148.375,51.825 149.85,50.35 v4(149.85,49.825) ; v4(151.225,79.675) 151.225,79.95 R1.2@154.025,82.75 ; v4@151.3,79.675 cw(c152.145,79.675) 151.547,80.272
  Mid-Layer 2 w0.25: v4(73.575,22.15) 84.7,22.15 88.65,26.1 88.65,26.725 99.775,37.85 100.4,37.85 108.9,46.35 144.1,46.35 147.575,49.825 v4(149.85,49.825) 150.475,49.825 152.5,51.85 152.5,56.5 150.1,58.9 150.1,78.55 v4(151.225,79.675)
LED_STATUS: R87.2 R162.1 U8.AB3 | length 168.4
  Top Layer w0.15: U8.AB3@61.876,57.124 ccw(c61.578,57.422) 62,57.422 ccw(c62.422,57.422) U8.AB3@62.124,57.124 ; U8.AB3@62,57 62,57.675 62.425,58.1 65.225,58.1 65.425,57.9 v2(69.175,57.9) ; v2@69.051,57.776 ccw(c68.753,57.478) 68.753,57.9 ccw(c68.753,58.322) v2@69.051,58.024
  Top Layer w0.2: R87.2@85.075,20.875 86.025,21.825 86.025,25.8 v4(85.675,26.15) ; v4@85.675,26.05 cw(c85.675,25.809) 85.846,25.979 cw(c86.016,26.15) v4@85.775,26.15 ; v4(147.825,81.4) R162.1@149.15,82.725 ; v4@147.825,81.5 ccw(c147.825,81.741) 147.996,81.571 ccw(c148.166,81.4) v4@147.925,81.4
  Mid-Layer 2 w0.2: v2@69.175,57.75 cw(c69.175,57.388) 69.431,57.644 cw(c69.687,57.9) v2@69.325,57.9 ; v2(69.175,57.9) 69.7,57.375 69.7,56.1 68.775,55.175 68.775,42.875 75.325,36.325 78.95,36.325 83.7,31.575 ; v4@85.604,26.079 ccw(c85.434,25.909) 85.434,26.15 ccw(c85.434,26.391) v4@85.604,26.221 ; v4(85.675,26.15) 84.2,26.15 83.7,26.65 83.7,31.575 ; v4@147.754,81.329 cw(c147.584,81.159) 147.825,81.159 cw(c148.066,81.159) v4@147.896,81.329 ; v4(147.825,81.4) 147.825,64.625 147.175,63.975 147.175,57.749 146.35,56.924 146.35,55.175 146.15,54.975 141.525,54.975 140.35,53.8 97.45,53.8 91.35,47.7 91.35,34.7 88.225,31.575 83.7,31.575
LEDS1: R34.2 R82.2 U8.Y3 | length 153.4
  Top Layer w0.15: U8.Y3@61.992,55.175 ccw(c61.976,55.498) v1@62.256,55.336 ; U8.Y3@62,55 v1@62.5,55.5 ; U8.Y3@62,55.175 ccw(c62,55.597) 62.299,55.299 ccw(c62.597,55) U8.Y3@62.175,55 ; U8.Y3@62.045,55.169 ccw(c62.107,55.4) 62.227,55.193 ; U8.Y3@62.146,55.146 cw(c62.403,54.89) v1@62.403,55.253 ; U8.Y3@62.147,55.147 ccw(c61.892,55.403) v1@62.253,55.403 ; U8.Y3@62.169,55.045 cw(c62.399,55.107) 62.193,55.226 ; U8.Y3@62.175,54.992 cw(c62.497,54.976) v1@62.336,55.256 ; v4@72.887,13.688 ccw(c72.613,13.962) 73,13.962 ; v4(72.975,13.6) 73,13.625 R82.2@73,14.875 ; 73,13.841 ccw(c73.216,13.841) v4@73.063,13.688 ; v4(151.8,19.125) 152.775,19.125 R34.2@152.8,19.1 ; v4@151.888,19.037 cw(c152.102,18.823) 152.102,19.125 cw(c152.102,19.427) v4@151.888,19.213
  Mid-Layer 2 w0.15: v1@62.403,55.253 cw(c62.403,54.891) 62.659,55.147 cw(c62.915,55.403) v1@62.553,55.403 ; v1(62.403,55.403) 65.175,52.631 65.175,39.775 v2(72.35,32.6) ; v2@72.175,32.6 ccw(c71.753,32.6) 72.051,32.899 ccw(c72.35,33.197) v2@72.35,32.775
  Bottom Layer w0.15: v2@72.175,32.6 cw(c71.753,32.6) 72.051,32.301 cw(c72.35,32.003) v2@72.35,32.425 ; v2(72.35,32.6) 71.3,31.55 71.3,15.275 v4(72.975,13.6) 79.15,13.6 89.4,3.35 148.35,3.35 149.45,4.45 149.45,13.375 151.8,15.725 v4(151.8,19.125) ; v4@72.85,13.6 ccw(c72.548,13.6) 72.762,13.813 ccw(c72.975,14.027) v4@72.975,13.725 ; v4@73.063,13.512 cw(c73.277,13.298) 73.277,13.6 cw(c73.277,13.902) v4@73.063,13.688 ; v4@151.712,19.037 cw(c151.498,18.823) 151.8,18.823 cw(c152.102,18.823) v4@151.888,19.037
LEDS2: R35.2 R83.2 U8.W4 | length 177.7
  Top Layer w0.15: U8.W4@60.96,53.83 cw(c60.821,53.228) v1@61.356,53.537 ; U8.W4@61,53.825 cw(c61,53.403) 61.299,53.701 cw(c61.597,54) U8.W4@61.175,54 ; U8.W4@61,54 61.5,53.5 v1(61.5,53.45) ; U8.W4@61.045,53.831 cw(c61.087,53.67) 61.231,53.753 ; 61.209,53.791 cw(c60.867,53.45) v1@61.35,53.45 ; 61.329,53.671 ccw(c61.5,53.841) v1@61.5,53.6 ; v2@72.4,30.725 cw(c71.978,30.725) 72.276,30.426 cw(c72.575,30.128) v2@72.575,30.55 ; v2(72.575,30.725) 71.2,29.35 71.2,12.575 72.9,10.875 82.65,10.875 84.025,9.5 85.725,9.5 91.011,4.214 147.314,4.214 147.875,4.775 147.875,17.525 149,18.65 R35.2@149,26.775
  Top Layer w0.2: v4@85.004,16.046 ccw(c84.834,16.216) 85.075,16.216 ccw(c85.316,16.216) v4@85.146,16.046 ; v4(85.075,15.975) R83.2@85.075,16.875
  Mid-Layer 2 w0.15: v1(61.5,53.45) 61.929,53.45 62.429,52.95 63.125,52.95 64.525,51.55 64.525,38.775 v2(72.575,30.725) ; v1@61.606,53.344 cw(c61.862,53.088) 61.862,53.45 cw(c61.862,53.812) v1@61.606,53.556 ; v2@72.4,30.725 ccw(c71.978,30.725) 72.276,31.024 ccw(c72.575,31.322) v2@72.575,30.9
  Bottom Layer w0.2: v2@72.469,30.619 cw(c72.153,30.303) 72.6,30.303 ; v2(72.575,30.725) 72.6,30.7 72.6,25.975 82.6,15.975 v4(85.075,15.975) ; 72.6,30.423 cw(c72.877,30.423) v2@72.681,30.619 ; v4@85.004,15.904 ccw(c84.834,15.734) 84.834,15.975 ccw(c84.834,16.216) v4@85.004,16.046
LEDS3: R36.2 R84.2 U8.AB2 | length 154
  Top Layer w0.15: U8.AB2@62.96,57.17 ccw(c62.832,57.724) v2@63.324,57.44 ; U8.AB2@63,57 63.45,57.45 63.5,57.45 v2(63.5,57.55) ; U8.AB2@63,57.175 ccw(c63,57.597) 63.299,57.299 ccw(c63.597,57) U8.AB2@63.175,57 ; U8.AB2@63.166,57.166 ccw(c62.782,57.55) v2@63.325,57.55 ; U8.AB2@63.169,57.045 cw(c63.377,57.101) 63.191,57.209 ; 63.287,57.287 cw(c63.5,57.073) v2@63.5,57.375 ; v4@72.887,15.988 ccw(c72.613,16.262) 73,16.262 ; v4@73,15.925 R84.2@73,16.875 ; 73,16.141 ccw(c73.216,16.141) v4@73.063,15.988 ; v4(150.125,16.675) R36.2@155.55,16.675 ; v4@150.213,16.587 cw(c150.427,16.373) 150.427,16.675 cw(c150.427,16.977) v4@150.213,16.763
  Mid-Layer 2 w0.15: v2@63.5,57.375 cw(c63.5,56.953) 63.799,57.251 cw(c64.097,57.55) v2@63.675,57.55 ; v2(63.5,57.55) 65.875,55.175 65.875,40.325 v2(73.524,32.676) ; v2@73.349,32.676 ccw(c72.926,32.676) 73.225,32.975 ccw(c73.524,33.274) v2@73.524,32.851
  Bottom Layer w0.15: v4@72.85,15.9 ccw(c72.548,15.9) 72.762,16.113 ccw(c72.975,16.327) v4@72.975,16.025 ; v4@73.063,15.812 cw(c73.277,15.598) 73.277,15.9 cw(c73.277,16.202) v4@73.063,15.988 ; v2@73.349,32.676 cw(c72.926,32.676) 73.225,32.378 cw(c73.524,32.079) v2@73.524,32.501 ; v2(73.524,32.676) 71.8,30.953 71.8,17.075 v4(72.975,15.9) 77.81,15.9 90.06,3.65 147.15,3.65 148.5,5 148.5,13.225 150.125,14.85 v4(150.125,16.675) ; v4@150.037,16.587 cw(c149.823,16.373) 150.125,16.373 cw(c150.427,16.373) v4@150.213,16.587